# Altium PCB AVR64DA64-BREAKOUT.PcbDoc (part 3 of 4)
Units mm, origin at the board's own origin, x right, y up, seen from the top; angles counter-clockwise.
Board outline 160.02 x 165.1 mm, 2 copper layers (Top Layer, Bottom Layer), stack 1.591 mm thick; 428 components, 351 nets, 1607 pads, 177 vias.
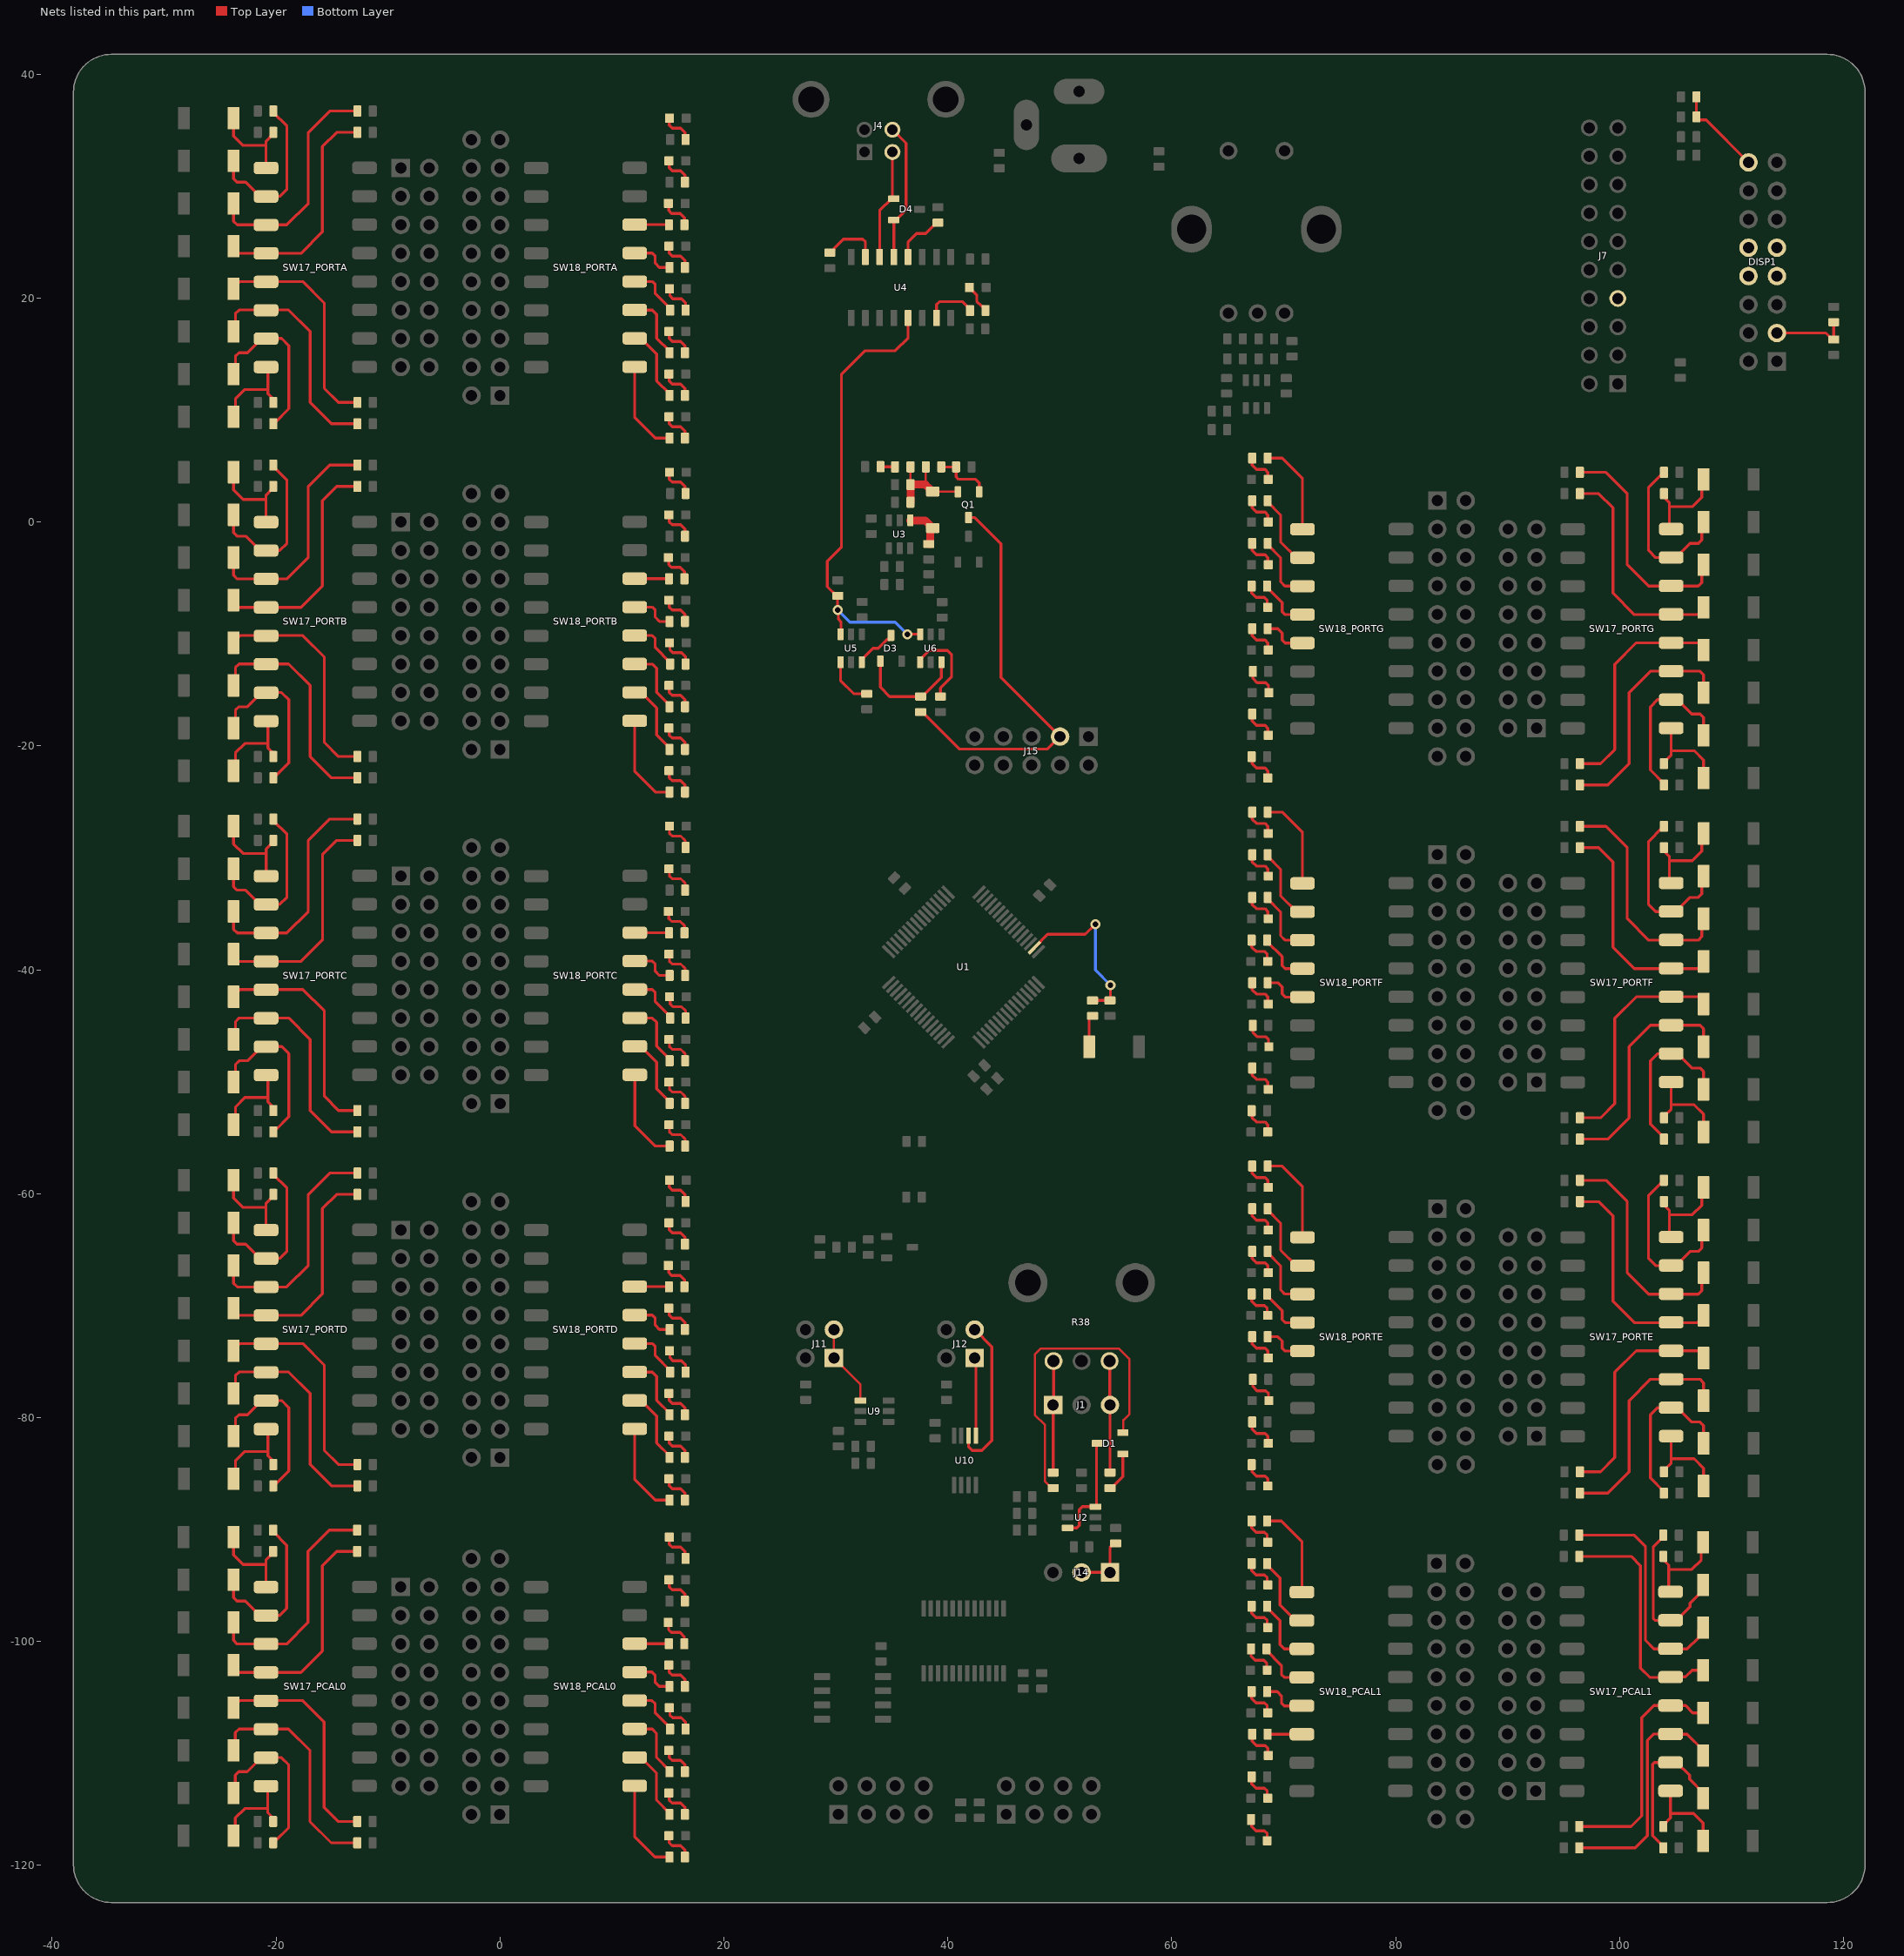
[diagram p3: the nets of this part, all layers, seen from the top]

## Via types
v1: diameter 0.9, hole 0.5, Top Layer to Bottom Layer, tented both sides, 177 vias

## Nets (pads, with @x,y where several pads share a name; then routed paths per layer and width w, separated by ;. In a path a pad name is that pad's centre, name@x,y a point inside that pad or via, vN(x,y) a via of type N, cw(c..) or ccw(c..) an arc to the next point about the centre after c; other vN are vias at no path point) (continued)
NetC15_2: C15.2 R10.2 U1.50 | length 15.3
  Top Layer w0.254: U1.50@47.735,-38.019 48.923,-36.83 52.07,-36.83 52.27,-36.83 v1(53.175,-35.925) ; R10.2@52.925,-42.735 R10.2@52.925,-42.735 54.478,-42.736 54.525,-42.689 v1(54.525,-41.375)
  Bottom Layer w0.254: v1(53.175,-35.925) 53.175,-40.025 v1(54.525,-41.375)
NetC18_1: C18.1 U4.4 | length 4.7
  Top Layer w0.254: U4.4@36.449,23.68 36.449,25.019 37.211,25.781 38.02,25.781 38.981,26.742 C18.1@39.116,26.742
NetC36_1: C36.1 C37.1 D2.1 Q1.2 R15.1 R44.1 | length 10.2
  Top Layer w0.2: C36.1@36.665,3.35 R15.1@36.665,4.925 ; R44.1@38.035,4.925 38.035,3.207 38.507,2.735 D2.1@38.65,2.735 40.865,2.735 Q1.2@40.9,2.7
  Top Layer w0.7: C37.1@36.665,1.775 C36.1@36.665,3.35 37.99,3.35 38.4,2.94 38.4,2.835 38.5,2.735 D2.1@38.65,2.735
NetC40_2: C40.2 Q1.1 R44.2 | length 5.3
  Top Layer w0.254: R44.2@39.415,4.925 C40.2@40.735,4.925 40.735,4.04 40.95,3.825 42.475,3.825 42.8,3.5 Q1.1@42.8,2.7
NetD1_1: D1.1 R1.2 | length 3.6
  Top Layer w0.254: R1.2@54.483,-86.288 54.618,-86.288 55.633,-85.273 D1.1@55.633,-83.246
NetD1_2: D1.2 R2.2 | length 28.6
  Top Layer w0.2: R2.2@49.403,-86.288 49.268,-86.288 48.658,-85.678 48.658,-80.633 47.775,-79.75 47.775,-74.35 48.3,-73.825 55.25,-73.825 56.225,-74.8 56.225,-79.675 55.675,-80.225 55.675,-81.304 D1.2@55.633,-81.346
NetD1_3: D1.3 U2.3 U2.6 | length 9.8
  Top Layer w0.254: U2.3@50.693,-89.85 51.501,-89.85 51.74,-89.611 51.74,-88.214 52.004,-87.95 U2.6@53.193,-87.95 53.279,-87.864 53.279,-82.35 D1.3@53.333,-82.296
NetD2_2: D2.2 L1.2 U3.1 | length 4.1
  Top Layer w0.7: U3.1@36.65,0.15 37.965,0.15 38.4,-0.285 38.4,-0.435 38.5,-0.535 D2.2@38.65,-0.535 38.545,-0.535 38.445,-0.635 38.445,-1.95 38.435,-1.96 L1.2@38.3,-1.96
NetD3_1: D3.1 R13.1 U6.3 | length 10.2
  Top Layer w0.254: D3.1@33.972,-12.421 33.972,-14.747 34.81,-15.585 R13.1@37.565,-15.585 37.7,-15.585 38.666,-14.619 38.695,-14.619 39.428,-13.885 U6.3@39.428,-12.521
NetD3_3: D3.3 U5.3 | length 3.9
  Top Layer w0.254: U5.3@32.316,-12.521 32.316,-12.271 33.316,-11.271 33.772,-11.271 34.549,-10.494 34.749,-10.494 34.922,-10.321 D3.3@34.922,-10.121
NetD4_1: D4.1 J4.2 U4.6 | length 10.1
  Top Layer w0.254: U4.6@33.909,23.68 33.909,27.827 34.972,28.89 D4.1@35.172,28.89 35.052,29.01 J4.2@35.052,33.052
NetD4_2: D4.2 J4.3 U4.5 | length 12.4
  Top Layer w0.254: J4.3@35.052,35.052 36.263,33.841 36.263,27.881 35.672,27.29 35.372,26.99 D4.2@35.172,26.99 35.179,26.983 U4.5@35.179,23.68
NetD5_2: D5.2 R14.2 | length 2.7
  Top Layer w0.254: D5.2@41.922,20.955 42.585,20.292 42.585,19.721 43.037,19.268 43.132,19.268 43.365,19.035 R14.2@43.365,18.9
NetD6_PCAL0_2: D6_PCAL0.2 R30_PCAL0.1 | length 2.9
  Top Layer w0.254: D6_PCAL0.2@15.074,-117.348 15.117,-117.391 15.117,-117.983 15.371,-118.237 16.133,-118.237 16.514,-118.618 R30_PCAL0.1@16.514,-119.253
NetD6_PCAL1_2: D6_PCAL1.2 R30_PCAL1.1 | length 2.9
  Top Layer w0.254: R30_PCAL1.1@67.132,-89.221 67.132,-89.856 67.513,-90.237 68.275,-90.237 68.529,-90.491 68.529,-91.083 D6_PCAL1.2@68.572,-91.126
NetD6_PORTA_2: D6_PORTA.2 R30_PORTA.1 | length 2.9
  Top Layer w0.254: D6_PORTA.2@15.086,9.41 15.129,9.367 15.129,8.775 15.383,8.521 16.145,8.521 16.526,8.14 R30_PORTA.1@16.526,7.505
NetD6_PORTB_2: D6_PORTB.2 R30_PORTB.1 | length 2.9
  Top Layer w0.254: D6_PORTB.2@15.086,-22.213 15.129,-22.256 15.129,-22.848 15.383,-23.102 16.145,-23.102 16.526,-23.483 R30_PORTB.1@16.526,-24.118
NetD6_PORTC_2: D6_PORTC.2 R30_PORTC.1 | length 2.9
  Top Layer w0.254: D6_PORTC.2@15.09,-53.836 15.133,-53.879 15.133,-54.471 15.387,-54.725 16.149,-54.725 16.53,-55.106 R30_PORTC.1@16.53,-55.741
NetD6_PORTD_2: D6_PORTD.2 R30_PORTD.1 | length 2.9
  Top Layer w0.254: D6_PORTD.2@15.086,-85.459 15.129,-85.502 15.129,-86.094 15.383,-86.348 16.145,-86.348 16.526,-86.729 R30_PORTD.1@16.526,-87.364
NetD6_PORTE_2: D6_PORTE.2 R30_PORTE.1 | length 2.9
  Top Layer w0.254: R30_PORTE.1@67.187,-57.531 67.187,-58.166 67.568,-58.547 68.33,-58.547 68.584,-58.801 68.584,-59.393 D6_PORTE.2@68.627,-59.436
NetD6_PORTF_2: D6_PORTF.2 R30_PORTF.1 | length 2.9
  Top Layer w0.254: R30_PORTF.1@67.187,-25.908 67.187,-26.543 67.568,-26.924 68.33,-26.924 68.584,-27.178 68.584,-27.77 D6_PORTF.2@68.627,-27.813
NetD6_PORTG_2: D6_PORTG.2 R30_PORTG.1 | length 2.9
  Top Layer w0.254: R30_PORTG.1@67.187,5.715 67.187,5.08 67.568,4.699 68.33,4.699 68.584,4.445 68.584,3.853 D6_PORTG.2@68.627,3.81
NetD7_PCAL0_2: D7_PCAL0.2 R31_PCAL0.1 | length 2.9
  Top Layer w0.254: D7_PCAL0.2@15.074,-113.538 15.117,-113.581 15.117,-114.173 15.371,-114.427 16.133,-114.427 16.514,-114.808 R31_PCAL0.1@16.514,-115.443
NetD7_PCAL1_2: D7_PCAL1.2 R31_PCAL1.1 | length 2.9
  Top Layer w0.254: R31_PCAL1.1@67.132,-93.031 67.132,-93.666 67.513,-94.047 68.275,-94.047 68.529,-94.301 68.529,-94.893 D7_PCAL1.2@68.572,-94.936
NetD7_PORTA_2: D7_PORTA.2 R31_PORTA.1 | length 2.9
  Top Layer w0.254: D7_PORTA.2@15.086,13.22 15.129,13.177 15.129,12.585 15.383,12.331 16.145,12.331 16.526,11.95 R31_PORTA.1@16.526,11.315
NetD7_PORTB_2: D7_PORTB.2 R31_PORTB.1 | length 2.9
  Top Layer w0.254: D7_PORTB.2@15.086,-18.403 15.129,-18.446 15.129,-19.038 15.383,-19.292 16.145,-19.292 16.526,-19.673 R31_PORTB.1@16.526,-20.308
NetD7_PORTC_2: D7_PORTC.2 R31_PORTC.1 | length 2.9
  Top Layer w0.254: D7_PORTC.2@15.09,-50.026 15.133,-50.069 15.133,-50.661 15.387,-50.915 16.149,-50.915 16.53,-51.296 R31_PORTC.1@16.53,-51.931
NetD7_PORTD_2: D7_PORTD.2 R31_PORTD.1 | length 2.9
  Top Layer w0.254: D7_PORTD.2@15.086,-81.649 15.129,-81.692 15.129,-82.284 15.383,-82.538 16.145,-82.538 16.526,-82.919 R31_PORTD.1@16.526,-83.554
NetD7_PORTE_2: D7_PORTE.2 R31_PORTE.1 | length 2.9
  Top Layer w0.254: R31_PORTE.1@67.187,-61.341 67.187,-61.976 67.568,-62.357 68.33,-62.357 68.584,-62.611 68.584,-63.203 D7_PORTE.2@68.627,-63.246
NetD7_PORTF_2: D7_PORTF.2 R31_PORTF.1 | length 2.9
  Top Layer w0.254: R31_PORTF.1@67.187,-29.718 67.187,-30.353 67.568,-30.734 68.33,-30.734 68.584,-30.988 68.584,-31.58 D7_PORTF.2@68.627,-31.623
NetD7_PORTG_2: D7_PORTG.2 R31_PORTG.1 | length 2.9
  Top Layer w0.254: R31_PORTG.1@67.187,1.905 67.187,1.27 67.568,0.889 68.33,0.889 68.584,0.635 68.584,0.043 D7_PORTG.2@68.627,0
NetD8_PCAL0_2: D8_PCAL0.2 R32_PCAL0.1 | length 2.9
  Top Layer w0.254: D8_PCAL0.2@15.074,-109.728 15.117,-109.771 15.117,-110.363 15.371,-110.617 16.133,-110.617 16.514,-110.998 R32_PCAL0.1@16.514,-111.633
NetD8_PCAL1_2: D8_PCAL1.2 R32_PCAL1.1 | length 2.9
  Top Layer w0.254: R32_PCAL1.1@67.132,-96.841 67.132,-97.476 67.513,-97.857 68.275,-97.857 68.529,-98.111 68.529,-98.703 D8_PCAL1.2@68.572,-98.746
NetD8_PORTA_2: D8_PORTA.2 R32_PORTA.1 | length 2.9
  Top Layer w0.254: D8_PORTA.2@15.086,17.03 15.129,16.987 15.129,16.395 15.383,16.141 16.145,16.141 16.526,15.76 R32_PORTA.1@16.526,15.125
NetD8_PORTB_2: D8_PORTB.2 R32_PORTB.1 | length 2.9
  Top Layer w0.254: D8_PORTB.2@15.086,-14.593 15.129,-14.636 15.129,-15.228 15.383,-15.482 16.145,-15.482 16.526,-15.863 R32_PORTB.1@16.526,-16.498
NetD8_PORTC_2: D8_PORTC.2 R32_PORTC.1 | length 2.9
  Top Layer w0.254: D8_PORTC.2@15.09,-46.216 15.133,-46.259 15.133,-46.851 15.387,-47.105 16.149,-47.105 16.53,-47.486 R32_PORTC.1@16.53,-48.121
NetD8_PORTD_2: D8_PORTD.2 R32_PORTD.1 | length 2.9
  Top Layer w0.254: D8_PORTD.2@15.086,-77.839 15.129,-77.882 15.129,-78.474 15.383,-78.728 16.145,-78.728 16.526,-79.109 R32_PORTD.1@16.526,-79.744
NetD8_PORTE_2: D8_PORTE.2 R32_PORTE.1 | length 2.9
  Top Layer w0.254: R32_PORTE.1@67.187,-65.151 67.187,-65.786 67.568,-66.167 68.33,-66.167 68.584,-66.421 68.584,-67.013 D8_PORTE.2@68.627,-67.056
NetD8_PORTF_2: D8_PORTF.2 R32_PORTF.1 | length 2.9
  Top Layer w0.254: R32_PORTF.1@67.187,-33.528 67.187,-34.163 67.568,-34.544 68.33,-34.544 68.584,-34.798 68.584,-35.39 D8_PORTF.2@68.627,-35.433
NetD8_PORTG_2: D8_PORTG.2 R32_PORTG.1 | length 2.9
  Top Layer w0.254: R32_PORTG.1@67.187,-1.905 67.187,-2.54 67.568,-2.921 68.33,-2.921 68.584,-3.175 68.584,-3.767 D8_PORTG.2@68.627,-3.81
NetD9_PCAL0_2: D9_PCAL0.2 R33_PCAL0.1 | length 2.9
  Top Layer w0.254: D9_PCAL0.2@15.129,-105.918 15.172,-105.961 15.172,-106.553 15.426,-106.807 16.188,-106.807 16.569,-107.188 R33_PCAL0.1@16.569,-107.823
NetD9_PCAL1_2: D9_PCAL1.2 R33_PCAL1.1 | length 2.9
  Top Layer w0.254: R33_PCAL1.1@67.077,-100.651 67.077,-101.286 67.458,-101.667 68.22,-101.667 68.474,-101.921 68.474,-102.513 D9_PCAL1.2@68.517,-102.556
NetD9_PORTA_2: D9_PORTA.2 R33_PORTA.1 | length 2.9
  Top Layer w0.254: D9_PORTA.2@15.141,20.84 15.184,20.797 15.184,20.205 15.438,19.951 16.2,19.951 16.581,19.57 R33_PORTA.1@16.581,18.935
NetD9_PORTB_2: D9_PORTB.2 R33_PORTB.1 | length 2.9
  Top Layer w0.254: D9_PORTB.2@15.141,-10.783 15.184,-10.826 15.184,-11.418 15.438,-11.672 16.2,-11.672 16.581,-12.053 R33_PORTB.1@16.581,-12.688
NetD9_PORTC_2: D9_PORTC.2 R33_PORTC.1 | length 2.9
  Top Layer w0.254: D9_PORTC.2@15.145,-42.406 15.188,-42.449 15.188,-43.041 15.442,-43.295 16.204,-43.295 16.585,-43.676 R33_PORTC.1@16.585,-44.311
NetD9_PORTD_2: D9_PORTD.2 R33_PORTD.1 | length 2.9
  Top Layer w0.254: D9_PORTD.2@15.141,-74.029 15.184,-74.072 15.184,-74.664 15.438,-74.918 16.2,-74.918 16.581,-75.299 R33_PORTD.1@16.581,-75.934
NetD9_PORTE_2: D9_PORTE.2 R33_PORTE.1 | length 2.9
  Top Layer w0.254: R33_PORTE.1@67.132,-68.961 67.132,-69.596 67.513,-69.977 68.275,-69.977 68.529,-70.231 68.529,-70.823 D9_PORTE.2@68.572,-70.866
NetD9_PORTF_2: D9_PORTF.2 R33_PORTF.1 | length 2.9
  Top Layer w0.254: R33_PORTF.1@67.132,-37.338 67.132,-37.973 67.513,-38.354 68.275,-38.354 68.529,-38.608 68.529,-39.2 D9_PORTF.2@68.572,-39.243
NetD9_PORTG_2: D9_PORTG.2 R33_PORTG.1 | length 2.9
  Top Layer w0.254: R33_PORTG.1@67.132,-5.715 67.132,-6.35 67.513,-6.731 68.275,-6.731 68.529,-6.985 68.529,-7.577 D9_PORTG.2@68.572,-7.62
NetD10_PCAL0_2: D10_PCAL0.2 R34_PCAL0.1 | length 2.9
  Top Layer w0.254: D10_PCAL0.2@15.074,-102.108 15.117,-102.151 15.117,-102.743 15.371,-102.997 16.133,-102.997 16.514,-103.378 R34_PCAL0.1@16.514,-104.013
NetD10_PCAL1_2: D10_PCAL1.2 R34_PCAL1.1 | length 2.9
  Top Layer w0.254: R34_PCAL1.1@67.132,-104.461 67.132,-105.096 67.513,-105.477 68.275,-105.477 68.529,-105.731 68.529,-106.323 D10_PCAL1.2@68.572,-106.366
NetD10_PORTA_2: D10_PORTA.2 R34_PORTA.1 | length 2.9
  Top Layer w0.254: D10_PORTA.2@15.086,24.65 15.129,24.607 15.129,24.015 15.383,23.761 16.145,23.761 16.526,23.38 R34_PORTA.1@16.526,22.745
NetD10_PORTB_2: D10_PORTB.2 R34_PORTB.1 | length 2.9
  Top Layer w0.254: D10_PORTB.2@15.086,-6.973 15.129,-7.016 15.129,-7.608 15.383,-7.862 16.145,-7.862 16.526,-8.243 R34_PORTB.1@16.526,-8.878
NetD10_PORTC_2: D10_PORTC.2 R34_PORTC.1 | length 2.9
  Top Layer w0.254: D10_PORTC.2@15.09,-38.596 15.133,-38.639 15.133,-39.231 15.387,-39.485 16.149,-39.485 16.53,-39.866 R34_PORTC.1@16.53,-40.501
NetD10_PORTD_2: D10_PORTD.2 R34_PORTD.1 | length 2.9
  Top Layer w0.254: D10_PORTD.2@15.086,-70.219 15.129,-70.262 15.129,-70.854 15.383,-71.108 16.145,-71.108 16.526,-71.489 R34_PORTD.1@16.526,-72.124
NetD10_PORTE_2: D10_PORTE.2 R34_PORTE.1 | length 2.9
  Top Layer w0.254: R34_PORTE.1@67.187,-72.771 67.187,-73.406 67.568,-73.787 68.33,-73.787 68.584,-74.041 68.584,-74.633 D10_PORTE.2@68.627,-74.676
NetD10_PORTF_2: D10_PORTF.2 R34_PORTF.1 | length 2.9
  Top Layer w0.254: R34_PORTF.1@67.187,-41.148 67.187,-41.783 67.568,-42.164 68.33,-42.164 68.584,-42.418 68.584,-43.01 D10_PORTF.2@68.627,-43.053
NetD10_PORTG_2: D10_PORTG.2 R34_PORTG.1 | length 2.9
  Top Layer w0.254: R34_PORTG.1@67.187,-9.525 67.187,-10.16 67.568,-10.541 68.33,-10.541 68.584,-10.795 68.584,-11.387 D10_PORTG.2@68.627,-11.43
NetD11_PCAL0_2: D11_PCAL0.2 R35_PCAL0.1 | length 2.9
  Top Layer w0.254: D11_PCAL0.2@15.019,-98.298 15.062,-98.341 15.062,-98.933 15.316,-99.187 16.078,-99.187 16.459,-99.568 R35_PCAL0.1@16.459,-100.203
NetD11_PCAL1_2: D11_PCAL1.2 R35_PCAL1.1 | length 2.9
  Top Layer w0.254: R35_PCAL1.1@67.187,-108.271 67.187,-108.906 67.568,-109.287 68.33,-109.287 68.584,-109.541 68.584,-110.133 D11_PCAL1.2@68.627,-110.176
NetD11_PORTA_2: D11_PORTA.2 R35_PORTA.1 | length 2.9
  Top Layer w0.254: D11_PORTA.2@15.031,28.46 15.074,28.417 15.074,27.825 15.328,27.571 16.09,27.571 16.471,27.19 R35_PORTA.1@16.471,26.555
NetD11_PORTB_2: D11_PORTB.2 R35_PORTB.1 | length 2.9
  Top Layer w0.254: D11_PORTB.2@15.031,-3.163 15.074,-3.206 15.074,-3.798 15.328,-4.052 16.09,-4.052 16.471,-4.433 R35_PORTB.1@16.471,-5.068
NetD11_PORTC_2: D11_PORTC.2 R35_PORTC.1 | length 2.9
  Top Layer w0.254: D11_PORTC.2@15.035,-34.786 15.078,-34.829 15.078,-35.421 15.332,-35.675 16.094,-35.675 16.475,-36.056 R35_PORTC.1@16.475,-36.691
NetD11_PORTD_2: D11_PORTD.2 R35_PORTD.1 | length 2.9
  Top Layer w0.254: D11_PORTD.2@15.031,-66.409 15.074,-66.452 15.074,-67.044 15.328,-67.298 16.09,-67.298 16.471,-67.679 R35_PORTD.1@16.471,-68.314
NetD11_PORTE_2: D11_PORTE.2 R35_PORTE.1 | length 2.9
  Top Layer w0.254: R35_PORTE.1@67.242,-76.581 67.242,-77.216 67.623,-77.597 68.385,-77.597 68.639,-77.851 68.639,-78.443 D11_PORTE.2@68.682,-78.486
NetD11_PORTF_2: D11_PORTF.2 R35_PORTF.1 | length 2.9
  Top Layer w0.254: R35_PORTF.1@67.242,-44.958 67.242,-45.593 67.623,-45.974 68.385,-45.974 68.639,-46.228 68.639,-46.82 D11_PORTF.2@68.682,-46.863
NetD11_PORTG_2: D11_PORTG.2 R35_PORTG.1 | length 2.9
  Top Layer w0.254: R35_PORTG.1@67.242,-13.335 67.242,-13.97 67.623,-14.351 68.385,-14.351 68.639,-14.605 68.639,-15.197 D11_PORTG.2@68.682,-15.24
NetD12_PCAL0_2: D12_PCAL0.2 R36_PCAL0.1 | length 2.9
  Top Layer w0.254: D12_PCAL0.2@15.074,-94.488 15.117,-94.531 15.117,-95.123 15.371,-95.377 16.133,-95.377 16.514,-95.758 R36_PCAL0.1@16.514,-96.393
NetD12_PCAL1_2: D12_PCAL1.2 R36_PCAL1.1 | length 2.9
  Top Layer w0.254: R36_PCAL1.1@67.132,-112.081 67.132,-112.716 67.513,-113.097 68.275,-113.097 68.529,-113.351 68.529,-113.943 D12_PCAL1.2@68.572,-113.986
NetD12_PORTA_2: D12_PORTA.2 R36_PORTA.1 | length 2.9
  Top Layer w0.254: D12_PORTA.2@15.086,32.27 15.129,32.227 15.129,31.635 15.383,31.381 16.145,31.381 16.526,31 R36_PORTA.1@16.526,30.365
NetD12_PORTB_2: D12_PORTB.2 R36_PORTB.1 | length 2.9
  Top Layer w0.254: D12_PORTB.2@15.086,0.647 15.129,0.604 15.129,0.012 15.383,-0.242 16.145,-0.242 16.526,-0.623 R36_PORTB.1@16.526,-1.258
NetD12_PORTC_2: D12_PORTC.2 R36_PORTC.1 | length 2.9
  Top Layer w0.254: D12_PORTC.2@15.09,-30.976 15.133,-31.019 15.133,-31.611 15.387,-31.865 16.149,-31.865 16.53,-32.246 R36_PORTC.1@16.53,-32.881
NetD12_PORTD_2: D12_PORTD.2 R36_PORTD.1 | length 2.9
  Top Layer w0.254: D12_PORTD.2@15.086,-62.599 15.129,-62.642 15.129,-63.234 15.383,-63.488 16.145,-63.488 16.526,-63.869 R36_PORTD.1@16.526,-64.504
NetD12_PORTE_2: D12_PORTE.2 R36_PORTE.1 | length 2.9
  Top Layer w0.254: R36_PORTE.1@67.187,-80.391 67.187,-81.026 67.568,-81.407 68.33,-81.407 68.584,-81.661 68.584,-82.253 D12_PORTE.2@68.627,-82.296
NetD12_PORTF_2: D12_PORTF.2 R36_PORTF.1 | length 2.9
  Top Layer w0.254: R36_PORTF.1@67.187,-48.768 67.187,-49.403 67.568,-49.784 68.33,-49.784 68.584,-50.038 68.584,-50.63 D12_PORTF.2@68.627,-50.673
NetD12_PORTG_2: D12_PORTG.2 R36_PORTG.1 | length 2.9
  Top Layer w0.254: R36_PORTG.1@67.187,-17.145 67.187,-17.78 67.568,-18.161 68.33,-18.161 68.584,-18.415 68.584,-19.007 D12_PORTG.2@68.627,-19.05
NetD13_PCAL0_2: D13_PCAL0.2 R37_PCAL0.1 | length 2.9
  Top Layer w0.254: D13_PCAL0.2@15.074,-90.678 15.117,-90.721 15.117,-91.313 15.371,-91.567 16.133,-91.567 16.514,-91.948 R37_PCAL0.1@16.514,-92.583
NetD13_PCAL1_2: D13_PCAL1.2 R37_PCAL1.1 | length 2.9
  Top Layer w0.254: R37_PCAL1.1@67.132,-115.891 67.132,-116.526 67.513,-116.907 68.275,-116.907 68.529,-117.161 68.529,-117.753 D13_PCAL1.2@68.572,-117.796
NetD13_PORTA_2: D13_PORTA.2 R37_PORTA.1 | length 2.9
  Top Layer w0.254: D13_PORTA.2@15.086,36.08 15.129,36.037 15.129,35.445 15.383,35.191 16.145,35.191 16.526,34.81 R37_PORTA.1@16.526,34.175
NetD13_PORTB_2: D13_PORTB.2 R37_PORTB.1 | length 2.9
  Top Layer w0.254: D13_PORTB.2@15.086,4.457 15.129,4.414 15.129,3.822 15.383,3.568 16.145,3.568 16.526,3.187 R37_PORTB.1@16.526,2.552
NetD13_PORTC_2: D13_PORTC.2 R37_PORTC.1 | length 2.9
  Top Layer w0.254: D13_PORTC.2@15.09,-27.166 15.133,-27.209 15.133,-27.801 15.387,-28.055 16.149,-28.055 16.53,-28.436 R37_PORTC.1@16.53,-29.071
NetD13_PORTD_2: D13_PORTD.2 R37_PORTD.1 | length 2.9
  Top Layer w0.254: D13_PORTD.2@15.086,-58.789 15.129,-58.832 15.129,-59.424 15.383,-59.678 16.145,-59.678 16.526,-60.059 R37_PORTD.1@16.526,-60.694
NetD13_PORTE_2: D13_PORTE.2 R37_PORTE.1 | length 2.9
  Top Layer w0.254: R37_PORTE.1@67.187,-84.201 67.187,-84.836 67.568,-85.217 68.33,-85.217 68.584,-85.471 68.584,-86.063 D13_PORTE.2@68.627,-86.106
NetD13_PORTF_2: D13_PORTF.2 R37_PORTF.1 | length 2.9
  Top Layer w0.254: R37_PORTF.1@67.187,-52.578 67.187,-53.213 67.568,-53.594 68.33,-53.594 68.584,-53.848 68.584,-54.44 D13_PORTF.2@68.627,-54.483
NetD13_PORTG_2: D13_PORTG.2 R37_PORTG.1 | length 2.9
  Top Layer w0.254: R37_PORTG.1@67.187,-20.955 67.187,-21.59 67.568,-21.971 68.33,-21.971 68.584,-22.225 68.584,-22.817 D13_PORTG.2@68.627,-22.86
NetDISP1_3: DISP1.3 R18.2 R19.2 | length 6.9
  Top Layer w0.254: DISP1.3@114.05,16.89 118.411,16.891 118.991,16.311 R18.2@119.126,16.311 R19.2@119.126,17.852
NetDISP1_7: DISP1.7
NetDISP1_8: DISP1.8
NetDISP1_9: DISP1.9
NetDISP1_10: DISP1.10
NetDISP1_16: DISP1.16 R20.2 R21.2 | length 8.1
  Top Layer w0.254: R21.2@106.862,37.973 R20.2@106.862,36.195 106.862,36.15 107.095,35.917 107.724,35.917 DISP1.16@111.51,32.13
NetJ1_1: J1.1 R2.1 R38.1 | length 10
  Top Layer w0.254: R2.1@49.403,-84.908 J1.1@49.403,-78.867 49.443,-78.827 R38.1@49.443,-74.945
NetJ1_3: J1.3 R1.1 R38.3 | length 10
  Top Layer w0.254: R38.3@54.443,-74.945 54.463,-74.965 54.463,-78.847 J1.3@54.483,-78.867 R1.1@54.483,-84.908
NetJ7_7: J7.7
NetJ11_1: J11.1 J11.3 U9.1 | length 7.3
  Top Layer w0.2: J11.3@29.824,-72.133 J11.1@29.824,-74.673 32.2,-77.049 U9.1@32.2,-78.475
NetJ12_1: J12.1 U10.5 | length 7
  Top Layer w0.254: J12.1@42.397,-74.673 42.504,-74.78 U10.5@42.504,-81.62
NetJ12_3: J12.3 U10.6 | length 14.1
  Top Layer w0.254: U10.6@41.854,-81.62 41.854,-82.621 42.164,-82.931 43.041,-82.931 43.927,-82.045 43.927,-73.663 J12.3@42.397,-72.133
NetJ14_1: J14.1 J14.2 R41.1 | length 5.4
  Top Layer w0.254: J14.2@51.943,-93.824 J14.1@54.483,-93.824 54.483,-91.614 54.856,-91.241 R41.1@54.991,-91.241
NetJ15_3: J15.3 Q1.3 R13.2 | length 37.6
  Top Layer w0.254: R13.2@37.565,-16.965 37.7,-16.965 41.007,-20.272 48.921,-20.272 J15.3@50.025,-19.168 44.75,-13.892 44.75,-1.95 42.4,0.4 Q1.3@41.85,0.4
NetR10_1: R10.1 SW6.2 | length 2.9
  Top Layer w0.254: SW6.2@52.625,-46.875 52.625,-44.348 52.858,-44.115 R10.1@52.925,-44.115
NetR11_2: R11.2 U4.7 | length 5.2
  Top Layer w0.254: R11.2@29.464,24.058 29.599,24.058 29.832,24.291 29.832,24.426 30.679,25.273 32.385,25.273 32.639,25.019 U4.7@32.639,23.68
NetR12_1: R12.1 U5.1 | length 4.5
  Top Layer w0.254: U5.1@30.416,-12.521 30.416,-14.166 31.585,-15.335 R12.1@32.759,-15.335
NetR14_1: R14.1 U4.15 | length 4.3
  Top Layer w0.254: U4.15@38.989,18.23 38.989,19.431 39.243,19.685 41.335,19.685 R14.1@41.764,19.256
NetR15_2: R15.2 R43.2 | length 1.3
  Top Layer w0.254: R43.2@33.99,4.95 34.002,4.937 35.273,4.937 R15.2@35.285,4.925
NetR16_1: R16.1 U6.1 | length 7.7
  Top Layer w0.254: U6.1@37.528,-12.521 37.528,-12.271 38.324,-11.475 39.975,-11.475 40.325,-11.825 40.325,-13.85 39.343,-14.832 R16.1@39.343,-15.585
NetR17_2: R17.2 U4.13 U5.6 U6.6 | length 41.7
  Top Layer w0.254: R17.2@30.15,-6.615 v1(30.15,-7.85) 30.231,-7.931 30.231,-8.681 30.45,-8.9 30.45,-9.987 U5.6@30.416,-10.021 ; R17.2@30.175,-6.59 30.04,-6.59 29.225,-5.775 29.225,-3.5 30.5,-2.225 30.5,13.2 32.6,15.3 35.3,15.3 36.449,16.449 U4.13@36.449,18.23 ; v1(36.372,-10.039) 36.391,-10.021 U6.6@37.528,-10.021
  Bottom Layer w0.254: v1(30.15,-7.85) 31.25,-8.95 35.283,-8.95 v1(36.372,-10.039)
NetR22_PCAL0_2: R22_PCAL0.2 SW15_PCAL0.2 SW17_PCAL0.16 | length 8.3
  Top Layer w0.254: SW15_PCAL0.2@-23.641,-117.348 -23.641,-115.758 -22.796,-114.913 -20.741,-114.913 ; SW17_PCAL0.16@-20.741,-112.89 -20.741,-114.913 ; R22_PCAL0.2@-20.096,-116.078 -20.096,-115.943 -20.741,-115.298 -20.741,-114.913
NetR22_PCAL1_2: R22_PCAL1.2 SW15_PCAL1.2 SW17_PCAL1.16 | length 8.3
  Top Layer w0.254: R22_PCAL1.2@103.742,-92.396 103.742,-92.531 104.387,-93.176 104.387,-93.561 ; SW17_PCAL1.16@104.387,-95.584 104.387,-93.561 ; SW15_PCAL1.2@107.287,-91.126 107.287,-92.716 106.442,-93.561 104.387,-93.561
NetR22_PORTA_2: R22_PORTA.2 SW15_PORTA.2 SW17_PORTA.16 | length 8.3
  Top Layer w0.254: SW15_PORTA.2@-23.629,9.41 -23.629,11 -22.784,11.845 -20.729,11.845 ; SW17_PORTA.16@-20.729,13.868 -20.729,11.845 ; R22_PORTA.2@-20.084,10.68 -20.084,10.815 -20.729,11.46 -20.729,11.845